# Allegro board reServer industrial J401 Carrier Board v11.brd (continued)
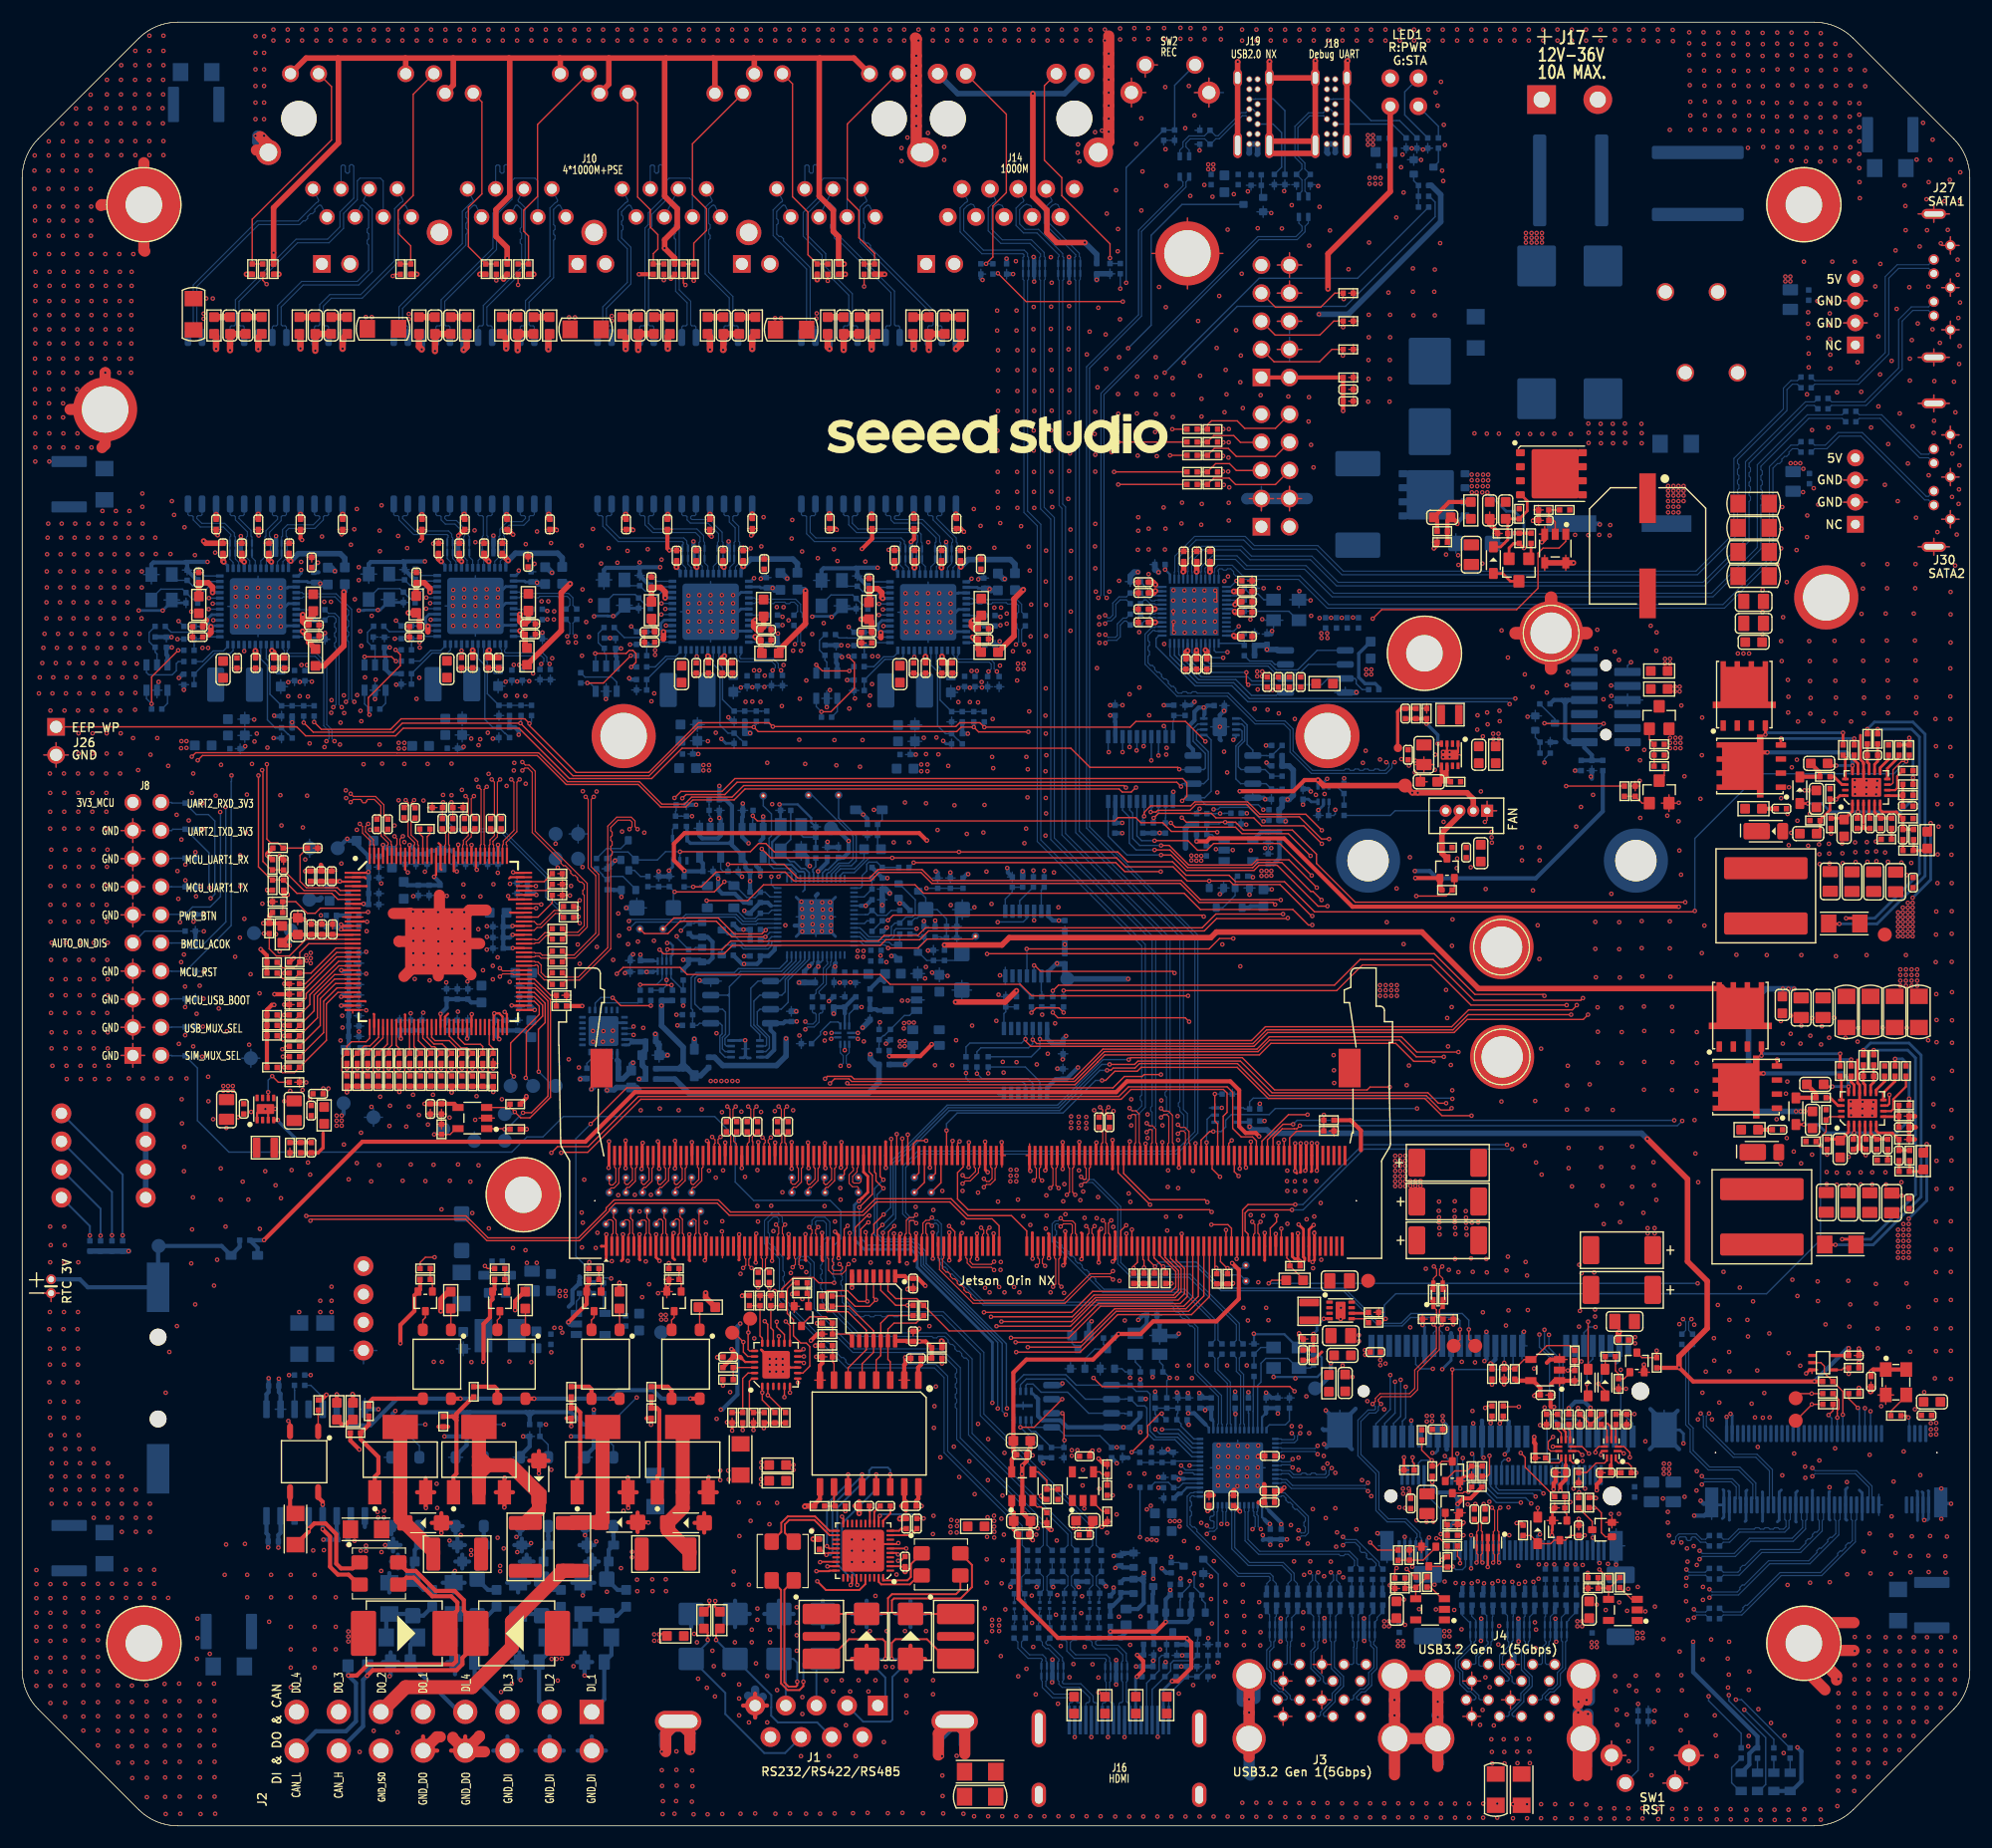
[diagram p0: board, top side]
## Nets (continued)
VDD_5V0_HDMI_CON: C164.1 C168.1 D50.2 J16.18 R268.1 R269.1 U36.1(OUT)
VDD_5V_BUS: C45.1 C46.1 L10.1 R304.1 R334.1 U9.1(OUT)
VDD_5V_SYS: C4.1 C15.1 C49.1 C53.1 C69.1 C70.1 C71.1 C85.1 C154.1 C155.1 C233.1 C234.1 C235.1 C236.1 C237.1 C238.1 C240.1 C242.1 C579.1 D39.1 J7.2 J9.251 J9.252 J9.253 J9.254 J9.255 J9.256 J9.257 J9.258 J9.259 J9.260 LED1.3 Q53.2(S) R93.1 R120.1 R124.1 R138.1 R149.1 R157.1 R164.1 R199.1 R201.1 R366.2 R555.1 R613.1 TP60.1(TP) TP71.1(TP) TP72.1(TP) TP73.1(TP) U1.5 U5.5 U9.5 U14.7 U14.8 U17.1 U19.5 U36.5
VDD_DCIN: C97.1 C99.1 C101.1 C114.1 C122.1 C129.1 C136.1 C147.1 C148.1 C245.1 C246.1 C247.1 C252.1 C253.1 C254.1 C255.1 C256.1 C257.1 J25.1 J25.2 Q8.2(S) Q16.5 Q45.5 Q46.5 Q46.6 Q46.7 Q46.8 Q46.9 R123.2 R141.1 R144.1 R185.1 R377.1 U25.19 U31.19
VDD_DO: Q34.4 Q35.4 Q36.4 Q37.4 R404.2 R405.2
VDD_SIM: C285.1 C286.1 D90.2 J15.1 J15.2 R328.2 R332.1
VDD_TPM: C146.2 J11.1 J11.7 R432.2 R433.2 R438.1
VDD_VBUS_A: C2.1 C3.1 J4.1 J4.10(VBUS_1) U5.1(OUT)
VDD_VBUS_B: C5.1 C203.1 J3.1 J3.10(VBUS_1) U1.1(OUT)
VIN_5V: C42.1 C59.1 L10.2 U10.2
5V_RS232/422/485: C205.2 C215.1 R299.2 R301.2 R304.2 R390.1 R391.1 R392.1 R393.1 R394.1 U42.2 U42.6(VCC#6) U44.16(VCCB)
422_RX(B): L28.1 U42.22
422_RX-: D6.2 J1.4 L28.4
422_TX(B): L26.2 U42.39
422_TX-: D9.2 L26.3 TBU2.1
1302_RST: C218.1 J5.22 R315.1 R325.2 U53.4(Y)
ADC0: C96.1 D33.2(C) Q9.3 R132.2 R133.1 R138.2
ADC2: C94.1 D38.2(C) Q14.3 R139.2 R144.2 R145.1
AUTO_ON_DIS: J8.9 R397.2
BBAT: D87.2(C) J9.235 R367.1
BBAT_CONN: D87.1 J12.2 J22.2 R367.2 TP48.1(TP)
BG1: R196.1 U31.15
BG2: R150.1 U25.15
BG_DC1: Q43.4(G) R196.2
BG_DC2: Q12.4(G) R150.2
BMCU_ACOK: C72.1 D27.2 J8.10 R96.1 R97.2 U23.14
BMCU_PGOOD: R110.1 R111.2 U23.29
BMCU_POWER_EN: R87.2 R91.1 U19.2 U23.16
BMCU_PWR_BTN*: D31.1 R130.2 U23.9
BRD_ID_A0: R82.2 R83.1 U15.1 U16.1
BRD_ID_A1: R84.2 R85.1 U15.2 U16.2
BRD_ID_A2: R88.1 R89.2 U15.3 U16.3
BRD_ID_WP: J26.1 R98.1 R437.2 U15.7(WP) U16.7(WP)
BST1: R191.1 U31.18
BST2: R147.1 U25.18
BT_EN: Q25.1 R296.2 R297.1
BUCK_3V3_EN: Q11.1 R77.1 R141.2 R148.1 U20.4(Y) U23.27 U25.20
BUCK_3V3_PG: Q54.1 R63.1 R76.1 R101.1 R102.2 R104.2 R110.2 U22.3 U25.9
BUCK_5V_PG: Q7.1 R109.1 R177.1 R192.2 U21.2 U31.9
CAM_I2C_SCL: J9.213 R361.2 TP54.1(TP)
CAM_I2C_SDA: J9.215 R362.2 TP59.1(TP)
CAN_120R_EN: Q27.2 U51.10
CAN_H: L27.1 R290.1 U7.13
CAN_H_ISO: D2.1 D95.2 J2.14 L27.4
CAN_L: L27.2 Q27.4 U7.12
CAN_L_ISO: D2.2 D68.2 J2.16 L27.3
CAN_RX: J9.143 R50.1
CAN_RXD: R50.2 U7.5
CAN_TX: J9.145 R51.1
CAN_TXD: R51.2 U7.3
CC1_1: J19.A5 R276.1
CC1_2: J18.A5 R274.1
CC2_1: J19.B5 R277.1
CC2_2: J18.B5 R275.1
CCM/AAM_DC1: C135.1 R187.2 R188.1 U31.7
CCM/AAM_DC2: C134.1 R178.1 R179.2 U25.7
CLKBUF_FD: R483.2 R484.1 U63.60
CLKQ0_N: C396.1 R520.1 R531.1
CLKQ0_P: C395.1 R521.1 R530.1
COMP_DC1: C125.1 C126.1 U31.5
COMP_DC2: C119.1 C123.1 U25.5
CP2102_VIO: C294.1 C295.1 R420.1 R421.1 R422.1 U54.5 U54.6
CSI0_CLK_N: J9.10 TP18.1(TP)
CSI0_CLK_P: J9.12 TP12.1(TP)
CSI0_D0_N: J9.4 TP9.1(TP)
CSI0_D0_P: J9.6 TP8.1(TP)
CSI0_D1_N: J9.16 TP11.1(TP)
CSI0_D1_P: J9.18 TP10.1(TP)
CSI1_CLK_N: J9.9 TP42.1(TP)
CSI1_CLK_P: J9.11 TP27.1(TP)
CSI1_D0_N: J9.3 TP41.1(TP)
CSI1_D0_P: J9.5 TP26.1(TP)
CSI1_D1_N: J9.15 TP43.1(TP)
CSI1_D1_P: J9.17 TP28.1(TP)
CSI2_CLK_N: J9.28 TP33.1(TP)
CSI2_CLK_P: J9.30 TP32.1(TP)
CSI2_D0_N: J9.22 TP20.1(TP)
CSI2_D0_P: J9.24 TP19.1(TP)
CSI2_D1_N: J9.34 TP22.1(TP)
CSI2_D1_P: J9.36 TP21.1(TP)
CSI3_CLK_N: J9.27 TP45.1(TP)
CSI3_CLK_P: J9.29 TP30.1(TP)
CSI3_D0_N: J9.21 TP44.1(TP)
CSI3_D0_P: J9.23 TP29.1(TP)
CSI3_D1_N: J9.33 TP36.1(TP)
CSI3_D1_P: J9.35 TP31.1(TP)
CSI5_CLK_N: J9.76 TP14.1(TP)
CSI5_CLK_P: J9.78 TP24.1(TP)
CSI5_D0_N: J9.70 TP13.1(TP)
CSI5_D0_P: J9.72 TP23.1(TP)
CSI5_D1_N: J9.82 TP15.1(TP)
CSI5_D1_P: J9.84 TP25.1(TP)
DCIN_SENSE: C249.1 R377.2 R378.1 U49.2
DCJ_IN: G2.2 J17.1 L14.1 R227.1 R238.1
DEVICE_RESET: D67.2(C) R53.1 R73.2 R210.1 R547.1 R572.1 R596.1 U13.2
DI_1_GPIO01: C24.1 J9.118 Q5.4 R47.2
DI_2_GPIO09: C23.1 J9.211 Q4.4 R46.2
DI_3_GPIO11: C22.1 J9.216 Q3.4 R45.2
DI_4_GPIO13: C21.1 J9.228 Q2.4 R44.2
DI_12V_1: J2.1 R9.1 R14.1
DI_12V_2: J2.3 R8.1 R13.1
DI_12V_3: J2.5 R7.1 R12.1
DI_12V_4: J2.7 R6.1 R11.1
DISCHG_1V8: Q54.3 Q56.1 R555.2
DISCHG_3V3_SYS: Q10.1 Q11.3 R124.2
DO_1_GPIO: J9.193 R354.1
DO_2_GPIO: J9.195 R355.1
DO_3_GPIO: J9.197 R356.1
DO_4_GPIO: J9.199 R357.1
DO_40V_1: F2.2 J2.9
DO_40V_2: F3.2 J2.11
DO_40V_3: F4.2 J2.13
DO_40V_4: F5.2 J2.15
DPCIE1_REFCLK1_N: R522.1 R533.1 U30.26
DPCIE1_REFCLK1_P: R524.1 R532.1 U30.25
DPCIE1_REFCLK2_N: R525.1 R535.1 U48.26
DPCIE1_REFCLK2_P: R526.1 R534.1 U48.25
DPCIE1_REFCLK3_N: R527.1 R537.1 U71.26
DPCIE1_REFCLK3_P: R528.1 R536.1 U71.25
DPCIE1_RX1_N: C133.1 U63.98
DPCIE1_RX1_P: C115.1 U63.97
DPCIE1_RX2_N: C231.1 U63.103
DPCIE1_RX2_P: C230.1 U63.102
DPCIE1_RX3_N: C491.1 U63.121
DPCIE1_RX3_P: C490.1 U63.122
DPCIE1_TX1_N: C291.1 C394.2
DPCIE1_TX1_P: C290.1 C393.2
DPCIE1_TX2_N: C296.1 C392.2
DPCIE1_TX2_P: C232.1 C391.2
DPCIE1_TX3_N: C390.2 C493.1
DPCIE1_TX3_P: C389.2 C492.1
DWNRST1_L: C399.1 R517.2 U30.44 U63.5
DWNRST2_L: C398.1 R516.2 U48.44 U63.6
DWNRST3_L: C397.1 R515.2 U63.7 U71.44
EECLK: R458.2 TP68.1(TP) U63.70 U65.1
EEP_EECLK: R221.2 U37.4
EEP_EECLK_31552004: R416.2 U52.4
EEP_EECLK_31557371: R364.2 U55.4
EEP_EECLK_31560001: R587.2 U72.4
EEP_EECS: R231.1 R234.2 U37.5
EEP_EECS_31552005: R271.2 R557.1 U52.5
EEP_EECS_31557372: R359.2 R582.1 U55.5
EEP_EECS_31560002: R584.2 R606.1 U72.5
EEP_EEDIO: R223.2 R229.1 U37.3
EEP_EEDIO_31552000: R415.2 R556.1 U52.3
EEP_EEDIO_31557367: R363.2 R581.1 U55.3
EEP_EEDIO_31559997: R586.2 R605.1 U72.3
EEPD: R459.2 TP69.1(TP) U63.71 U65.3
EN: D79.2 J25.6 R446.2
EN_1V2: R77.2 U14.5
EN_DC1: C130.1 R181.1 R185.2 U31.20
ETH_LED0: R167.1 R235.2
ETH_LED0_31552017: R270.2 R554.1
ETH_LED0_31557384: R358.2 R579.1
ETH_LED0_31560014: R583.2 R603.1
ETH_LED1: R172.1 R232.2
ETH_LED1_31552019: R414.2 R553.1
ETH_LED1_31557386: R360.2 R578.1
ETH_LED1_31560016: R585.2 R602.1
FAN_PWM: J9.230 R86.1 U17.4
FAN_PWM_Q*: J7.4 R90.2
FAN_TACH: J9.208 Q6.2(S) R103.2
FAN_TACH_CON: J7.3 Q6.3 R93.2
FB_0.8V_DC1: C124.2 R173.2 R174.1 U31.6
FB_0.8V_DC2: C131.2 R180.1 R186.2 U25.6
FORCE_OFF*: C87.1 D29.1 D32.2(C) R118.1 R119.2 R126.2 U23.12
FORCE_RECOVERY*: C200.1 D43.2 D54.2 J9.214 SW2.1
FREQ_DC1: R190.1 U31.8
FREQ_DC2: R182.1 U25.8
GANG_PWR: R52.1 R566.1 U8.32
GBE_LED_ACT: J9.194 R253.1
GBE_LED_LINK: J9.188 R252.1
GBE_MDI0_N: J9.184 J14.3 U61.4 U61.7
GBE_MDI0_P: J9.186 J14.2 U61.5 U61.6(NC4)
GBE_MDI1_N: J9.190 J14.5 U61.1 U61.10
GBE_MDI1_P: J9.192 J14.4 U61.2 U61.9
GBE_MDI2_N: J9.196 J14.7 U60.4 U60.7
GBE_MDI2_P: J9.198 J14.6 U60.5 U60.6(NC4)
GBE_MDI3_N: J9.202 J14.9 U60.1 U60.10
GBE_MDI3_P: J9.204 J14.8 U60.2 U60.9
GND_RS232/422/485: C205.1 C210.1 C213.1 C215.2 D4.1 D5.1 D6.1 D7.1 D8.1 D9.1 J1.5 R280.2 R282.2 R300.2 SW3.5(B4) SW3.6 SW3.7 SW3.8 TISP1.1 TISP2.1 U42.7 U42.41 U44.9 U44.15
GPIO0: R234.1 R235.1 U38.38
GPIO0_21859572: R497.2 R498.1 U63.36
GPIO0_31552012: R270.1 R271.1 U30.38
GPIO0_31557379: R358.1 R359.1 U48.38
GPIO0_31560009: R583.1 R584.1 U71.38
GPIO1: R223.1 R232.1 U38.37
GPIO1_21859569: R499.2 R500.1 U63.35
GPIO1_31552018: R414.1 R415.1 U30.37
GPIO1_31557385: R360.1 R363.1 U48.37
GPIO1_31560015: R585.1 R586.1 U71.37
GPIO2: R221.1 U38.36
GPIO2_21859566: R503.2 R504.1 U63.37
GPIO2_31552024: R416.1 U30.36
GPIO2_31557391: R364.1 U48.36
GPIO2_31560021: R587.1 U71.36
GPIO3: R505.2 R506.1 U63.38
GPIO4: R507.2 R508.1 U63.39
GPIO5: R509.2 R510.1 U63.42
GPIO6: R511.2 R512.1 U63.43
GPIO7: R513.2 R514.1 U63.44
GREEN_LED: D98.2 J14.12 R252.2
HDD_LED1: R454.1 U76.3
HDD_LED2: R607.1 U76.2
HDMI_CEC: D47.1 J9.94 Q20.2(S) R254.2
HDMI_CEC_CON: C193.1 D52.2 J16.13 L23.2
HDMI_CEC_Q: D47.2(C) D48.2(C) L23.1 Q20.3
HDMI_DDC_SCL: J9.100 Q22.2(S) R256.2
HDMI_DDC_SCL_5V0: C195.1 D53.2 J16.15 Q22.3 R269.2
HDMI_DDC_SDA: J9.98 Q21.2(S) R255.2
HDMI_DDC_SDA_5V0: C194.1 D51.2 J16.16 Q21.3 R268.2
HDMI_HPD: J9.96 Q18.3 R242.2
HDMI_HPD_CON: C196.1 C197.1 D49.2 J16.19 R259.2
HDMI_TX0_N: C172.1 J9.75
HDMI_TX0_P: C173.1 J9.77
HDMI_TX1_N: C174.1 J9.69
HDMI_TX1_P: C175.1 J9.71
HDMI_TX2_N: C176.1 J9.63
HDMI_TX2_P: C177.1 J9.65
HDMI_TXC_CON_LC_N: C170.2 C185.2 L16.1 R244.2
HDMI_TXC_CON_LC_P: C171.2 C185.1 L17.1 R245.2
HDMI_TXC_CON_N: J16.12 R260.2 U40.5 U40.6(NC4)
HDMI_TXC_CON_P: J16.10 R261.2 U40.4 U40.7
HDMI_TXC_CON_R_N: C191.2 L16.2 R260.1
HDMI_TXC_CON_R_P: C191.1 L17.2 R261.1
HDMI_TXC_N: C170.1 J9.81
HDMI_TXC_P: C171.1 J9.83
HDMI_TXD0_CON_LC_N: C172.2 C187.2 L18.1 R246.2
HDMI_TXD0_CON_LC_P: C173.2 C187.1 L19.1 R247.2
HDMI_TXD0_CON_N: J16.9 R262.2 U40.2 U40.9
HDMI_TXD0_CON_P: J16.7 R263.2 U40.1 U40.10
HDMI_TXD0_CON_R_N: C190.2 L18.2 R262.1
HDMI_TXD0_CON_R_P: C190.1 L19.2 R263.1
HDMI_TXD1_CON_LC_N: C174.2 C186.2 L20.1 R248.2
HDMI_TXD1_CON_LC_P: C175.2 C186.1 L15.1 R249.2
HDMI_TXD1_CON_N: J16.6 R264.2 U39.5 U39.6(NC4)
HDMI_TXD1_CON_P: J16.4 R265.2 U39.4 U39.7
HDMI_TXD1_CON_R_N: C189.2 L20.2 R264.1
HDMI_TXD1_CON_R_P: C189.1 L15.2 R265.1
HDMI_TXD2_CON_LC_N: C176.2 C188.2 L22.1 R250.2
HDMI_TXD2_CON_LC_P: C177.2 C188.1 L21.1 R251.2
HDMI_TXD2_CON_N: J16.3 R266.2 U39.2 U39.9
HDMI_TXD2_CON_P: J16.1 R267.2 U39.1 U39.10
HDMI_TXD2_CON_R_N: C192.2 L22.2 R266.1
HDMI_TXD2_CON_R_P: C192.1 L21.2 R267.1
HUB_HSD1_N: L6.4 R29.1 U8.2
HUB_HSD1_P: L6.1 R36.1 U8.1
HUB_HSD2_N: L7.4 R30.1 U8.9
HUB_HSD2_P: L7.1 R37.1 U8.8
HUB_HSD3_N: L1.4 R16.1 U8.18
HUB_HSD3_P: L1.1 R19.1 U8.17
HUB_HSD4_N: L37.4 R560.1 U8.25
HUB_HSD4_P: L37.1 R561.1 U8.24
HUB_PRT_CTL1: R41.1 U8.36
HUB_PRT_CTL2: R42.1 U8.35
HUB_PRT_CTL3: R10.1 U8.34
HUB_PRT_CTL4: R15.1 R566.2
HUB_RBIAS: R43.1 U8.56
HUB_RST: C40.1 R53.2 R55.2 R57.2 R285.1 U8.42
HUB_SPI_CE: R69.2 R396.1 U8.41 U11.1 U12.1
HUB_SPI_CLK: R60.1 U8.38 U11.6 U12.6
HUB_SPI_HOLD: R62.2 U11.7 U12.7
HUB_SPI_MISO: R72.1 R395.2 U8.40 U11.2 U12.2
HUB_SPI_MOSI: R61.2 U8.39 U11.5 U12.5
HUB_SPI_WP: R75.2 U11.3(W\P\_IO2) U12.3(W\P\_IO2)
HUB_SSRX1_N: L5.1 R31.1 U8.7
HUB_SSRX1_P: L5.4 R28.1 U8.6
HUB_SSRX2_N: L4.1 R32.1 U8.14
HUB_SSRX2_P: L4.4 R33.1 U8.13
HUB_SSRX3_N: L2.1 R283.1 U8.23
HUB_SSRX3_P: L2.4 R289.1 U8.22
HUB_SSRX4_N: L38.1 R562.1 U8.30
HUB_SSRX4_P: L38.4 R563.1 U8.29
HUB_SSTX1_C_N: C6.2 L8.1 R38.1
HUB_SSTX1_C_P: C7.2 L8.4 R39.1
HUB_SSTX1_N: C6.1 U8.4
HUB_SSTX1_P: C7.1 U8.3
HUB_SSTX2_C_N: C8.2 L9.1 R34.1
HUB_SSTX2_C_P: C9.2 L9.4 R35.1
HUB_SSTX2_N: C8.1 U8.11
HUB_SSTX2_P: C9.1 U8.10
HUB_SSTX3_C_N: C204.2 L3.1 R558.1
HUB_SSTX3_C_P: C207.2 L3.4 R559.1
HUB_SSTX3_N: C204.1 U8.20
HUB_SSTX3_P: C207.1 U8.19
HUB_SSTX4_C_N: C453.2 L39.1 R564.1
HUB_SSTX4_C_P: C454.2 L39.4 R565.1
HUB_SSTX4_N: C453.1 U8.27
HUB_SSTX4_P: C454.1 U8.26
HUB_TEST: R49.1 U8.52
HUB_USBOC1/2: R40.1 U5.3
HUB_USBOC3/4: R17.1 U1.3
HUB_XTALI: C17.1 U8.54 X1.3
HUB_XTALO: R48.2 U8.53(XTALO)
I2C0_A0: R379.1 R380.2 U51.18
I2C0_A1: R383.1 R384.2 U51.23
I2C0_A2: R381.1 R385.2 U51.24
I2C0_INT: R382.2 R386.2 U51.22
I2C0_INT_GPIO12: J9.218 U6.4
I2C0_INT_GPIO12_3V3: R386.1 U6.11
I2C0_SCL: J9.185 R205.2 R449.1 TP77.1(TP) U51.19
I2C0_SDA: J9.187 R206.2 R450.1 TP76.1(TP) U51.20
I2C1_SCL: J5.30 J9.189 R203.2 TP74.1(TP)
I2C1_SDA: J5.32 J9.191 R204.2 TP75.1(TP)
I2C2_M2M_SCL: J21.40 R220.2
I2C2_M2M_SDA: J21.42 R216.2
I2C2_SCL: J9.232 Q13.2(S) R99.2 R134.2 R220.1 R485.1 TP79.1(TP) U15.6 U16.6
I2C2_SDA: J9.234 Q15.2(S) R95.2 R143.2 R216.1 R486.1 TP78.1(TP) U15.5 U16.5
I2S1_LRCK: J6.28 J9.224
I2S1_SCLK: J6.20 J9.226
I2S1_SDIN: J6.24 J9.222
I2S1_SDOUT: J6.22 J9.220
IFP_TERM_EN: Q19.3 R244.1 R245.1 R246.1 R247.1 R248.1 R249.1 R250.1 R251.1
ILIM_DC1: R194.1 U31.10
ILIM_DC2: R176.1 U25.10
INTB: D77.2 J25.7 R447.1
JMB_SPI_CS: U75.1 U76.5
JMB_SPI_HOLD: R453.2 U75.7
JMB_SPI_SCK: U75.6 U76.10
JMB_SPI_SI: U75.5 U76.11
JMB_SPI_SO: U75.2 U76.7
JMB_SPI_WP: R452.2 U75.3(W\P\_IO2) U76.9
LAA_N79_TX_EN_1V8: J6.60 J9.97
LAN_XI: C181.1 U38.47 X3.1
LAN_XI_31551945: C429.1 U30.47 X4.1
LAN_XI_31557312: C466.1 U48.47 X5.1
LAN_XI_31559942: C506.1 U71.47 X6.1
LAN_XO: R239.1 U38.46
LAN_XO_31551942: R552.1 U30.46
LAN_XO_31557309: R577.1 U48.46
LAN_XO_31559939: R601.1 U71.46
LAN_XO_R: C169.1 R239.2 X3.3
LAN_XO_R_31551943: C430.1 R552.2 X4.3
LAN_XO_R_31557310: C467.1 R577.2 X5.3
LAN_XO_R_31559940: C507.1 R601.2 X6.3
LDO_5V_IN: C113.1 D39.2(C) D41.2(C) R189.1 U26.1
LED1_CTRL: Q1.1 R1.2 R4.2 R5.2
LED_WWAN: J5.42 LED3.2(C)
M2B_DPR_1V8: J6.25 Q24.3 R295.2
M2B_DPR_3V3: R288.1 U51.15
M2B_PCIE_HSD4_N: D66.2 J5.36 J6.9 L29.4 R302.1
M2B_PCIE_HSD4_P: D65.2 J5.38 J6.7 L29.1 R303.1
M2B_PCIE_RESET: R315.2 R316.1 R327.2 U51.11 U53.2
M2B_POWER_OFF#: J6.6 J9.212 R291.1
M2B_SSRX4_N: C43.1 J6.29 U43.5 U43.6(NC4)
M2B_SSRX4_P: C44.1 J6.31 U43.4 U43.7
M2B_SSTX4_N: C216.1 J6.35 U43.2 U43.9
M2B_SSTX4_P: C217.1 J6.37 U43.1 U43.10
M2B_STATUS_LED: J6.10 R59.2
M2B_SUSCLK_32KHZ: J6.68 R195.2 U33.4(Y)
M2B_USIM_CLK: J6.32 U46.2
M2B_USIM_DATA: J6.34 U46.6
M2B_USIM_PWR: J6.36 U45.2
M2B_USIM_RST: J6.30 U45.6
M2B_W_DISABLE1#: J9.128 R307.1
M2B_W_DISABLE2#: J9.126 R296.1
M2B_WOWWAN#_1V8: R298.2 U6.3
M2B_WOWWAN#_3V3: U6.12 U51.14
M2M_ALERT*: J21.44 R213.2 U34.2
M2M_ALERT_3V3: J9.130 R212.2 U34.4(Y)
M2M_SUSCLK_32KHZ: J21.68(SUSCLK(32KHZ) (O)(0/3.3V)) R237.2
M.2_WLAN_TX_EN_1V8: J6.38 J9.112
MCT: C184.1 J14.1
MCU_ADC0: Q9.2(S) R132.1 U23.38
MCU_ADC1: C88.1 R121.2 R122.1 U23.39
MCU_ADC2: Q14.2(S) R139.1 U23.40
MCU_ADC3: TP4.1(TP) U23.41
MCU_I2C0_SCL: Q13.3 R136.2 U23.3
MCU_I2C0_SDA: Q15.3 R142.2 U23.2
MCU_I2C1_SCL: R135.2 TP6.1(TP) U23.5
MCU_I2C1_SDA: R140.2 TP5.1(TP) U23.4
MCU_RST: C76.1 D26.1 D28.2 FB3.1 J8.8 R100.2
MCU_UART1_RX: D23.2 J8.16 U23.7
MCU_UART1_TX: D24.2 J8.14 U23.6
MCU_USB_BOOT: D30.2 J8.6 R169.2
MCU_USB_DN: R161.1 U29.7
MCU_USB_DP: R162.1 U29.1
MOD_SLEEP*: J9.178 R5.1 R67.1 R218.1
MODE_0: R391.2 SW3.1 U42.29
MODE_1: R392.2 SW3.2 U42.36
MODE_2: R393.2 SW3.3 U42.28
MODULE_ID: J9.217 R131.2 R137.2
MR: R76.2 U13.3
MXA_N: J10.A2 T1.14
MXA_N_31552080: J10.B2 T2.14
MXA_N_31557447: J10.C2 T3.14
MXA_N_31560077: J10.D2 T4.14
MXA_P: J10.A1 T1.13
MXA_P_31552078: J10.B1 T2.13
MXA_P_31557445: J10.C1 T3.13
MXA_P_31560075: J10.D1 T4.13
MXB_N: J10.A6 T1.17
MXB_N_31552088: J10.B6 T2.17
MXB_N_31557455: J10.C6 T3.17
MXB_N_31560085: J10.D6 T4.17
MXB_P: J10.A3 T1.16
MXB_P_31552087: J10.B3 T2.16
MXB_P_31557454: J10.C3 T3.16
MXB_P_31560084: J10.D3 T4.16
MXC_N: J10.A5 T1.20
MXC_N_31552098: J10.B5 T2.20
MXC_N_31557465: J10.C5 T3.20
MXC_N_31560095: J10.D5 T4.20
MXC_P: J10.A4 T1.19
MXC_P_31552090: J10.B4 T2.19
MXC_P_31557457: J10.C4 T3.19
MXC_P_31560087: J10.D4 T4.19
MXD_N: J10.A8 T1.23
MXD_N_31552110: J10.B8 T2.23
MXD_N_31557477: J10.C8 T3.23
MXD_N_31560107: J10.D8 T4.23
MXD_P: J10.A7 T1.22
MXD_P_31552108: J10.B7 T2.22
MXD_P_31557475: J10.C7 T3.22
MXD_P_31560105: J10.D7 T4.22
P2T0_N: C405.1 J9.46
P2T0_P: C404.1 J9.48
P3T0_N: C407.1 J9.64
P3T0_P: C406.1 J9.66
P_RXN0: C555.2 U76.17
P_RXP0: C556.2 U76.18
P_TXN0: C557.2 U76.20
P_TXP0: C558.2 U76.21
PCIE0_CLK_N: J9.160 J21.53
PCIE0_CLK_P: J9.162 J21.55
PCIE0_CLKREQ: J9.180 J21.52
PCIE0_RST: J9.181 J21.50 R217.2
PCIE0_RX0_N: J9.131 J21.41
PCIE0_RX0_P: J9.133 J21.43
PCIE0_RX1_N: J9.137 J21.29
PCIE0_RX1_P: J9.139 J21.31
PCIE0_RX2_N: J9.149 J21.17
PCIE0_RX2_P: J9.151 J21.19
PCIE0_RX3_N: J9.155 J21.5
PCIE0_RX3_P: J9.157 J21.7
PCIE0_TX0_M2_N: C264.1 J21.47
PCIE0_TX0_M2_P: C265.1 J21.49
PCIE0_TX0_N: C264.2 J9.134
PCIE0_TX0_P: C265.2 J9.136
PCIE0_TX1_M2_N: C276.1 J21.35
PCIE0_TX1_M2_P: C277.1 J21.37
PCIE0_TX1_N: C276.2 J9.140
PCIE0_TX1_P: C277.2 J9.142
PCIE0_TX2_M2_N: C283.1 J21.23
PCIE0_TX2_M2_P: C284.1 J21.25
PCIE0_TX2_N: C283.2 J9.148
PCIE0_TX2_P: C284.2 J9.150
PCIE0_TX3_M2_N: C259.1 J21.11
PCIE0_TX3_M2_P: C258.1 J21.13
PCIE0_TX3_N: C259.2 J9.154
PCIE0_TX3_P: C258.2 J9.156
PCIE1_CLK_N: J9.173 U38.26
PCIE1_CLK_P: J9.175 U38.25
PCIE1_CLKREQ: J9.182 U38.42
PCIE1_RST: J9.183 U38.44
PCIE1_RX0_N: C165.1 J9.167
PCIE1_RX0_P: C166.1 J9.169
PCIE1_TX0_N: C143.1 J9.172
PCIE1_TX0_P: C144.1 J9.174
PCIE2_CLK_N: C402.2 J9.52
PCIE2_CLK_P: C403.2 J9.54
PCIE2_CLKREQ: J9.221 U30.42 U48.42 U71.42
PCIE2_RST: J9.219 U63.10
PCIE2_RX0_N: C388.2 J9.40
PCIE2_RX0_P: C387.2 J9.42
PCIE2_TX0_N: C405.2 U63.127
PCIE2_TX0_P: C404.2 U63.128
PCIE3_CLK_N: J9.227 U76.14
PCIE3_CLK_P: J9.229 U76.15
PCIE3_CLKREQ: J9.225 U76.12
PCIE3_RST: J9.223 U76.13
PCIE3_RX0_N: C557.1 J9.58
PCIE3_RX0_P: C558.1 J9.60
PCIE3_TX0_N: C407.2 C555.1
PCIE3_TX0_P: C406.2 C556.1
PCIE_ETH_RESET: R211.1 R548.1 R573.1 R597.1 U51.13
PCIE_RX_N: C143.2 U38.17
PCIE_RX_N_31551787: C291.2 U30.17
PCIE_RX_N_31557154: C296.2 U48.17
PCIE_RX_N_31559784: C493.2 U71.17
PCIE_RX_P: C144.2 U38.16
PCIE_RX_P_31551788: C290.2 U30.16
PCIE_RX_P_31557155: C232.2 U48.16
PCIE_RX_P_31559785: C492.2 U71.16
PCIE_SX1261_BUSY_1V8: J9.124 Q48.3 R287.2
PCIE_SX1261_RST_3V3: D69.2(C) U51.6
PCIE_TX_N: C165.2 U38.21
PCIE_TX_N_31551786: C133.2 U30.21
PCIE_TX_N_31557153: C231.2 U48.21
PCIE_TX_N_31559783: C491.2 U71.21
PCIE_TX_P: C166.2 U38.19
PCIE_TX_P_31551785: C115.2 U30.19
PCIE_TX_P_31557152: C230.2 U48.19
PCIE_TX_P_31559782: C490.2 U71.19
PCIE_USIM_CLK: J5.12 U46.1
PCIE_USIM_DATA: D69.1 J5.10 U46.7
PCIE_USIM_PWR: D70.1 J5.8 U45.1
PCIE_USIM_RST: J5.14 U45.7
PCIE_WAKE: J9.179 J21.54 U30.43 U38.43 U48.43 U71.43
PCIE_WAKE_3V3: J5.1 U51.5
PGOOD: D78.2 J25.5 R448.1
PL_512B: R481.2 R482.1 U63.53
POWER_EN: J9.237 R113.1 U19.4(Y)
PRSNT1: R460.1 U63.19
PRSNT2: R461.1 U63.20
PRSNT3: R462.1 U63.21
PSE_INTB: R413.2 R447.2 U51.2
PSE_NEG0: J13.2 R479.1 R538.1 T1.18 T1.24
PSE_NEG1: J20.2 R543.1 R545.1 T2.18 T2.24
PSE_NEG2: J23.2 R568.1 R570.1 T3.18 T3.24
PSE_NEG3: J24.2 R592.1 R594.1 T4.18 T4.24
PSE_PG: R412.2 R448.2 U51.1
PSE_POS0: J13.1 R214.1 R480.1 T1.15 T1.21
PSE_POS1: J20.1 R542.1 R544.1 T2.15 T2.21
PSE_POS2: J23.1 R567.1 R569.1 T3.15 T3.21
PSE_POS3: J24.1 R591.1 R593.1 T4.15 T4.21
PSE_PWR_EN: R446.1 U51.17
PWR_BTN*: D25.2 D31.2(C) D42.2 J8.12 J9.240 R201.2
PWR_LED_CTRL: J9.127 R4.1
PWR_SAV: R473.2 R474.1 U63.28
QSPI_CSN: R169.1 R175.2 U23.56 U27.1 U28.1
QSPI_SCLK: U23.52 U27.6 U28.6
QSPI_SD0: U23.53 U27.5 U28.5
QSPI_SD1: U23.55 U27.2 U28.2
QSPI_SD2: U23.54 U27.3(W\P\_IO2) U28.3(W\P\_IO2)
QSPI_SD3: U23.51 U27.7 U28.7
RP2040_XIN: C73.1 U23.20 X2.3
RP2040_XOUT: R107.2 U23.21
RS232_CTS: D4.2 J1.8 R279.2
RS232_CTSN: R279.1 U42.20
RS232_RTS: D5.2 J1.7 R278.2
RS232_RTSN: R278.1 U42.5
RS232_RXD/422_TX(A): L26.1 U42.40
RS232_RXD/422_TX+: D8.2 L26.4 TBU1.1
RS232_TXD/422_RX(A): L28.2 U42.21
RS232_TXD/422_RX+: D7.2 J1.3 L28.3
RUN: FB3.2 U23.26
RXPOLINV_DIS: R469.2 R470.1 U63.24
S_RXN0: C563.2 J27.R-
S_RXN1: C572.2 J30.R-
S_RXP0: C564.2 J27.R+
S_RXP1: C573.2 J30.R+
S_TXN0: C562.2 J27.T-
S_TXN1: C571.2 J30.T-
S_TXP0: C561.2 J27.T+
S_TXP1: C570.2 J30.T+
SATA_1V25: C530.1 C531.1 C532.1 C533.1 C534.1 C535.1 C536.1 C537.1 C538.1 C539.1 C540.1 C541.1 C542.1 C543.1 C544.1 C545.1 FB32.2 U76.4 U76.8 U76.16 U76.19 U76.23 U76.24 U76.25 U76.28 U76.31 U76.34 U76.38 U76.42
SATA_3V3: C546.1 C547.1 C548.1 C549.1 C550.1 C551.1 C552.1 C553.1 FB33.2 R452.1 R453.1 R608.2 U75.8 U76.6 U76.41 U76.48
SATA_5V: FB34.1 FB36.1 Q53.3
SATA_PWREN1: R619.1 U76.47
SATA_RXN0: C563.1 U76.27
SATA_RXN1: C572.1 U76.33
SATA_RXP0: C564.1 U76.26
SATA_RXP1: C573.1 U76.32
SATA_TXN0: C562.1 U76.29
SATA_TXN1: C571.1 U76.35
SATA_TXP0: C561.1 U76.30
SATA_TXP1: C570.1 U76.36
SCAN_EN: R475.2 R476.1 U63.72
SENSE+_DC1: C141.1 R198.2 U31.13
SENSE+_DC2: C118.1 R158.2 U25.13
SENSE-_DC1: C141.2 R199.2 U31.12
SENSE-_DC2: C118.2 R166.2 U25.12
SHUTDOWN_REQ*: D29.2(C) J9.233 R120.2 U49.1(RST)
SIM_CLK: C227.1 D93.2 J15.5 R336.2
SIM_DETECT: J15.9 Q38.1 R331.2
SIM_DETECT_1V8: J6.66 R329.2
SIM_DIO: C223.1 D92.2 J15.7 R332.2 R333.2
SIM_MUX_SEL: D37.2 J8.2 R339.1 R389.2 U45.10 U46.10
SIM_RST: C219.1 D91.2 J15.3 R324.2
SLEW: R394.2 SW3.4 U42.30
SLOT_IMP1: R491.2 R492.1 U63.45
SLOT_IMP2: R493.2 R494.1 U63.46
SLOT_IMP3: R495.2 R496.1 U63.47
SLOTCLK: R489.2 R490.1 U63.33
SPI0_CS0: J9.95 R403.1 R436.1
SPI0_CS0_LS: J11.9 R403.2 R439.2
SPI0_IRQ_GPIO07: J9.206 R200.1 R431.1
SPI0_IRQ_LS: J11.2 R200.2 R202.2
SPI0_MISO: J9.93 R401.1 U57.3
SPI0_MISO_LS: J11.11 R401.2 U57.12
SPI0_MOSI: J9.89 R402.1 U57.4
SPI0_MOSI_LS: J11.12 R402.2 U57.11
SPI0_RST_3V3: R434.1 U51.7
SPI0_RST_LS: J11.3 Q32.3 R438.2
SPI0_SCK: J9.91 R400.1 U57.2
SPI0_SCK_LS: J11.10 R400.2 U57.13
SPI1_CS0: J9.110 U18.5
SPI1_CS0_3V3: J5.51 U18.16
SPI1_MISO: J9.108 U18.3
SPI1_MISO_3V3: J5.47 U18.18
SPI1_MOSI: J9.104 U18.4
SPI1_MOSI_3V3: J5.49 U18.17
SPI1_SCK: J9.106 U18.1
SPI1_SCK_3V3: J5.45 U18.20
SS_DC1: C127.1 U31.4
SS_DC2: C116.1 U25.4
SUSCLK_32KHZ: J9.210 U33.2
SW_1V2: L11.1 U14.2(SW)
SW_DC1: C142.2 D88.2(C) L30.1 Q43.5 Q45.1 Q45.2 Q45.3 R368.1 U31.16
SW_DC2: C95.2 D34.2(C) L12.1 Q12.5 Q16.1 Q16.2 Q16.3 R114.1 U25.16
SW_OUT: C149.1 C150.1 C152.1 FB6.1 L13.2 U38.34
SW_OUT_31551824: C434.1 C435.1 C436.1 FB16.1 L36.2 U30.34
SW_OUT_31557191: C471.1 C472.1 C473.1 FB12.1 L40.2 U48.34
SW_OUT_31559821: C511.1 C512.1 C513.1 FB26.1 L41.2 U71.34
SW_OUT_L: L13.1 U38.32
SW_OUT_L_31551823: L36.1 U30.32
SW_OUT_L_31557190: L40.1 U48.32
SW_OUT_L_31559820: L41.1 U71.32
SWCLK: TP2.1(TP) U23.24
SWDIO: TP1.1(TP) U23.25
SYNCO_DC1: R197.1 U31.11
SYNCO_DC2: R171.1 U25.11
SYS_RESET: D45.2 FB5.1 J9.239
SYS_RST*: C1.1 D1.2 FB5.2 R92.1 SW1.1 U20.2
TCK: TP64.1(TP) U63.89
TDI: TP66.1(TP) U63.93
TDO: TP65.1(TP) U63.88
TEST1: R487.2 R488.1 U63.9
TEST3: R463.2 R464.1 U63.17
TEST4: R467.2 R468.1 U63.22
TEST5: R471.2 R472.1 U63.25
TEST6: R477.2 R478.1 U63.51
TG1: R193.1 U31.17
TG2: R146.1 U25.17
TG_DC1: Q45.4(G) R193.2
TG_DC2: Q16.4(G) R146.2
TMS: R501.1 U63.92
TRST_L: R502.1 U63.94
TXRXA_N: T1.11 U32.4 U32.7 U38.3
TXRXA_N_31551790: T2.11 U30.3 U66.4 U66.7
TXRXA_N_31557157: T3.11 U48.3 U56.4 U56.7
TXRXA_N_31559787: T4.11 U71.3 U73.4 U73.7
TXRXA_P: T1.12(TD4-) U32.5 U32.6(NC4) U38.2
TXRXA_P_31551789: T2.12(TD4-) U30.2 U66.5 U66.6(NC4)
TXRXA_P_31557156: T3.12(TD4-) U48.2 U56.5 U56.6(NC4)
TXRXA_P_31559786: T4.12(TD4-) U71.2 U73.5 U73.6(NC4)
TXRXB_N: T1.8 U32.1 U32.10 U38.6
TXRXB_N_31551792: T2.8 U30.6 U66.1 U66.10
TXRXB_N_31557159: T3.8 U48.6 U56.1 U56.10
TXRXB_N_31559789: T4.8 U71.6 U73.1 U73.10
TXRXB_P: T1.9 U32.2 U32.9 U38.5
TXRXB_P_31551791: T2.9 U30.5 U66.2 U66.9
TXRXB_P_31557158: T3.9 U48.5 U56.2 U56.9
TXRXB_P_31559788: T4.9 U71.5 U73.2 U73.9
TXRXC_N: T1.5 U38.8 U59.4 U59.7
TXRXC_N_31551794: T2.5 U30.8 U67.4 U67.7
TXRXC_N_31557161: T3.5 U48.8 U70.4 U70.7
TXRXC_N_31559791: T4.5 U71.8 U74.4 U74.7
TXRXC_P: T1.6 U38.7 U59.5 U59.6(NC4)
TXRXC_P_31551793: T2.6 U30.7 U67.5 U67.6(NC4)
TXRXC_P_31557160: T3.6 U48.7 U70.5 U70.6(NC4)
TXRXC_P_31559790: T4.6 U71.7 U74.5 U74.6(NC4)
TXRXD_N: T1.2 U38.11 U59.1 U59.10
TXRXD_N_31551796: T2.2 U30.11 U67.1 U67.10
TXRXD_N_31557163: T3.2 U48.11 U70.1 U70.10
TXRXD_N_31559793: T4.2 U71.11 U74.1 U74.10
TXRXD_P: T1.3 U38.10 U59.2 U59.9
TXRXD_P_31551795: T2.3 U30.10 U67.2 U67.9
TXRXD_P_31557162: T3.3 U48.10 U70.2 U70.9
TXRXD_P_31559792: T4.3 U71.10 U74.2 U74.9
TYPE C_UART_5V: C137.1 C198.1 C201.1 C302.1 D41.1 D59.2 J18.A4 J18.A9 J18.B4 J18.B9 R284.2 R423.1 U54.7
TYPE C_USB_DN: L25.3 U29.5
TYPE C_USB_DP: L25.2 U29.3
UART0_CTS: J9.105 U18.9
UART0_CTS_3V3: R81.2 R308.1 U18.12
UART0_RTS: J9.103 U18.6
UART0_RTS_3V3: R79.2 R310.1 U18.15
UART0_RXD: J6.64 J9.101 U18.8
UART0_RXD_3V3: J5.13 R80.2 U18.13
UART0_TXD: J6.62 J9.99 U18.7
UART0_TXD_3V3: J5.11 U18.14
UART1_CTS: J9.209 R353.1 U47.5
UART1_CTS_5V_ISO: U42.25 U44.11
UART1_CTS_LS: R353.2 U44.6 U47.10
UART1_EN_3V3: Q52.1 R241.2 R442.2
UART1_RTS: J9.207 R351.1 U47.3
UART1_RTS_5V_ISO: U42.34 U44.13
UART1_RTS_LS: R351.2 U44.4 U47.12
UART1_RXD: J9.205 R352.1 U47.4
UART1_RXD_5V_ISO: R390.2 U42.26 U44.12
UART1_RXD_LS: R352.2 U44.5 U47.11
UART1_TXD: J9.203 R350.1 U47.2
UART1_TXD_5V_ISO: U42.33 U44.14
UART1_TXD_LS: R350.2 U44.3 U47.13
UART2_RXD: J9.238 U24.2
UART2_RXD_3V3: D20.2 J8.20 R152.2 R156.2 U24.7
UART2_TXD: J9.236 U24.3
UART2_TXD_3V3: D22.2 J8.18 R153.2 R418.2 U24.6
UART_USB_DN: U29.6 U54.4
UART_USB_DP: U29.2 U54.3
USB0_AP_N: J9.109 L24.3
USB0_AP_P: J9.111 L24.2
USB0_VBUS_DET*: J9.87 Q23.3
USB1_A_N: J4.11 L6.3 R29.2 U3.2 U3.9
USB1_A_N_31554753: J3.11 L1.3 R16.2 U41.2 U41.9
USB1_A_P: J4.12 L6.2 R36.2 U3.1 U3.10
USB1_A_P_31554757: J3.12 L1.2 R19.2 U41.1 U41.10
USB1_AP_N: J9.115 U8.46
USB1_AP_P: J9.117 U8.45
USB2_A_N: J4.2 L7.3 R30.2 U3.5 U3.6(NC4)
USB2_A_N_31554805: J3.2 L37.3 R560.2 U41.5 U41.6(NC4)
USB2_A_P: J4.3 L7.2 R37.2 U3.4 U3.7
USB2_A_P_31554812: J3.3 L37.2 R561.2 U41.4 U41.7
USB2_AP_N: J9.121 L29.3 R302.2
USB2_AP_P: J9.123 L29.2 R303.2
USB_DM: R161.2 U23.46
USB_DP: R162.2 U23.47
USB_HUB_RESET: R55.1 R286.1 U51.12
USB_MUX_SEL: D35.2 J8.4 R159.2 U29.10
USB_UART_RX: R153.1 U54.20
USB_UART_TX: R152.1 U54.21
USBSS1_RX_N: J9.39
USBSS1_RX_P: J9.41
USBSS1_TX_N: J9.45
USBSS1_TX_P: J9.47
USBSS2_RX_N: C43.2 J9.51
USBSS2_RX_P: C44.2 J9.53
USBSS2_TX_N: C216.2 J9.57
USBSS2_TX_P: C217.2 J9.59
